# Altium PCB Adafruit CLUE nRF52840 Express.PcbDoc (continued)
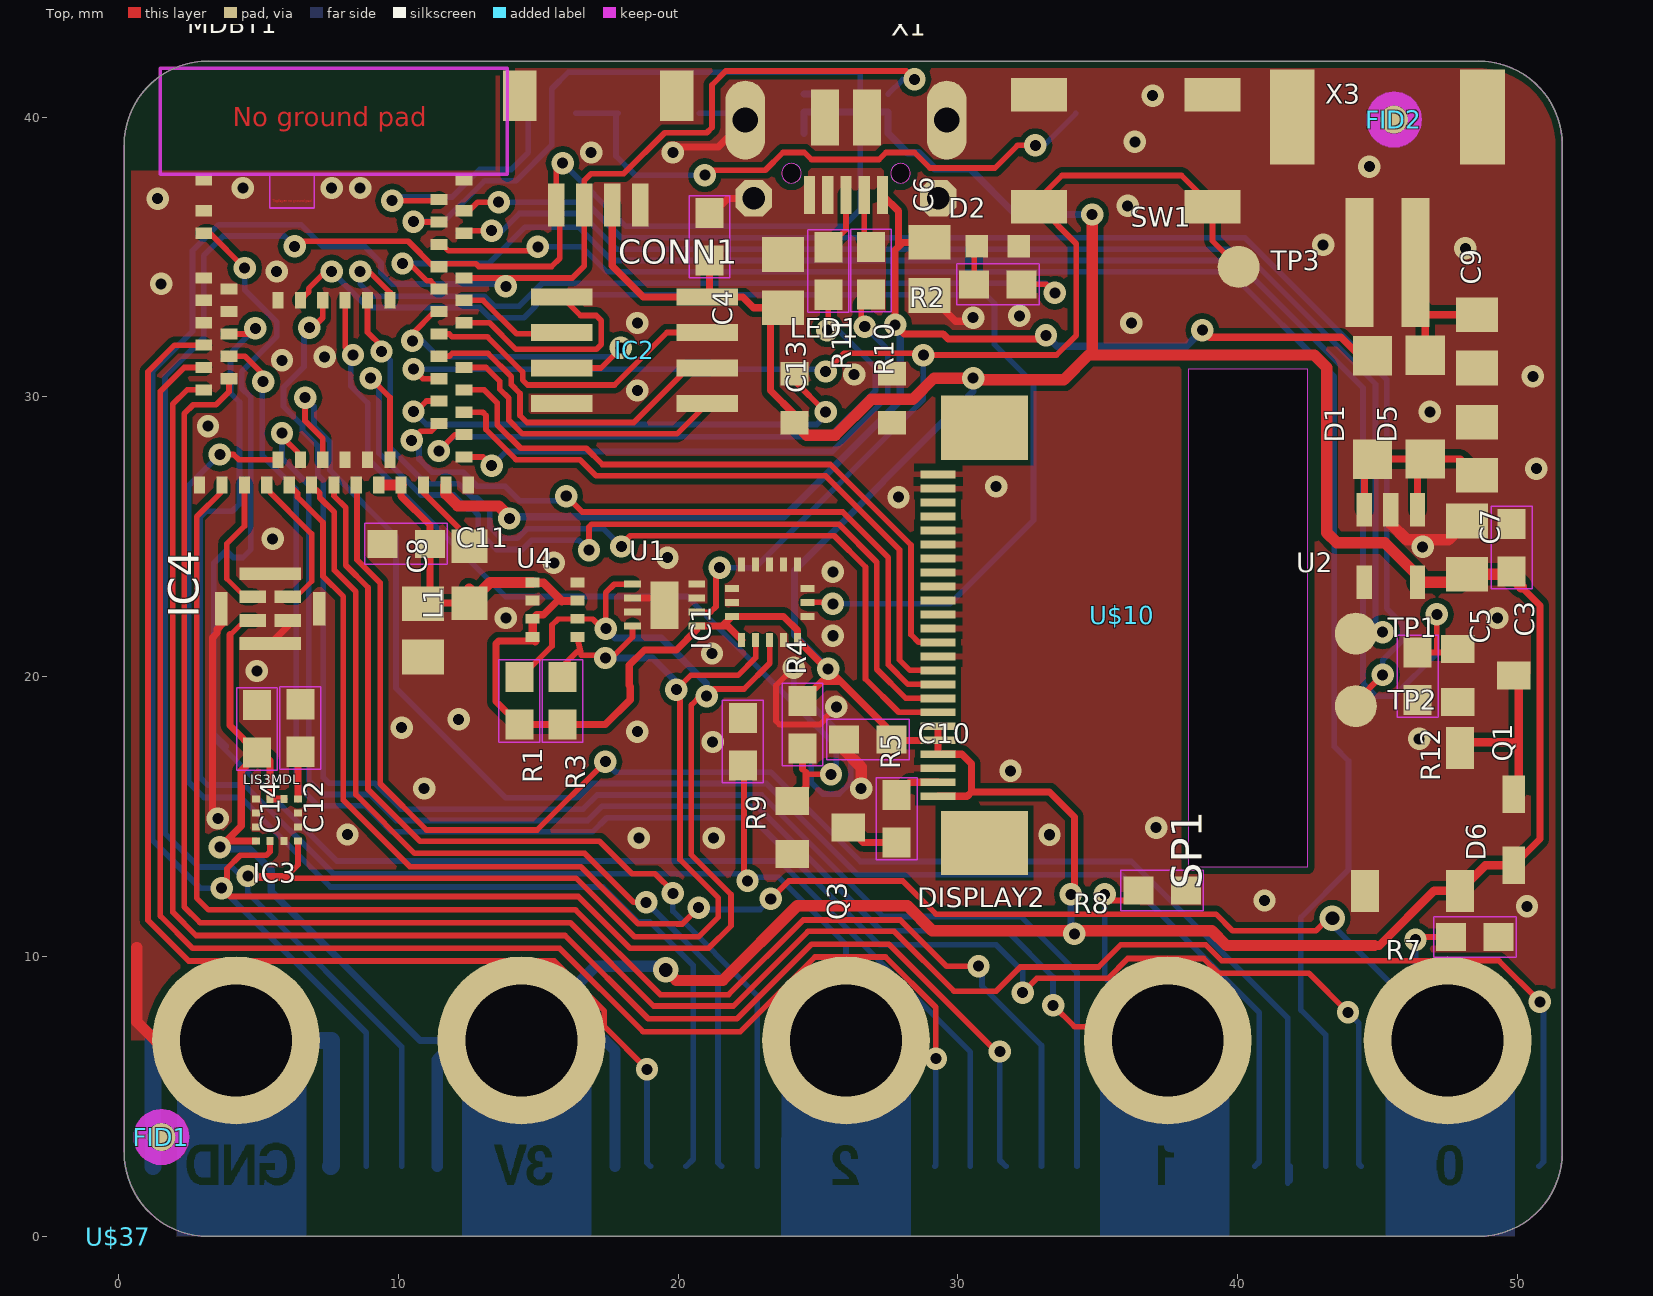
[diagram p0: Top view]
## Free pads (board coordinates) (continued)

## Via types
v1: diameter 0.8/0.8 (per signal layer), hole 0.394, Top to Bottom, 134 vias
v2: diameter 0.907/0.907 (per signal layer), hole 0.5, Top to Bottom, 2 vias

## Nets (pads, with @x,y where several pads share a name; then routed paths per layer and width w, separated by ;. In a path a pad name is that pad's centre, name@x,y a point inside that pad or via, vN(x,y) a via of type N, cw(c..) or ccw(c..) an arc to the next point about the centre after c; other vN are vias at no path point)
3.3V: C3.2 C4.2 C5.2 C8.2 C10.2 C11.2 C13.2 C14.2 CONN1.2 D6.C DISPLAY2.1 DISPLAY2.4 DISPLAY2.5 DISPLAY2.6 IC1.1 IC1.5 IC1.16 IC2.8 IC3.5 IC3.6 IC3.10 IC4.1 L1.1 LED1.2 MB1.+3V3 MB1.+3V3@1 MB1.+3V3@2 MDBT1.28 MDBT1.30 R1.2 R3.2 R4.2 SP1.+ U1.5 U2.5 U3.5 U3.8 U4.2 U4.5 U4.6 U4.8 | length 228
  Top w0.178: 3.98,21.504 4.003,21.504 4.508,22.009 IC4.1
  Top w0.254: 3.98,21.504 3.98,18.257 C14.2 ; IC3.10 3.843,14.125 v1(3.624,13.906) 4.386,14.668 4.386,16.637 4.953,17.204 C14.2 ; IC3.5 IC3.6 5.415,17 5.132,17.284 C14.2 ; MDBT1.30 10.1,26.451 11.131,25.42 C11.2 11.131,22.854 C8.2 10.908,22.631 12.534,22.631 L1.1@12.534,23.124 ; U4.6 14.945,22.213 15.187,22.213 15.688,22.714 15.831,22.714 ; U4.5@14.894,21.273 13.589,21.273 13.493,21.176 13.493,19.116 R1.2 R3.2 17.396,18.285 18.288,19.177 18.288,19.65 18.253,19.685 18.253,20.412 18.796,20.955 19.939,20.955 20.667,21.683 U1.5 21.573,21.806 ; CONN1.2 17.645,34.679 18.752,33.572 IC2.8 ; C4.2 21.123,33.648 IC2.8 ; IC1.1 21.773,21.806 21.573,21.806 ; C13.2 C13.2@23.495,33.185 ; LED1.2 24.152,29.378 23.304,30.226 23.304,32.995 C13.2@23.495,33.185 ; R4.2 25.147,19.837 25.806,19.837 ; DISPLAY2.1 30.331,15.726 30.48,15.875 ; DISPLAY2.6 DISPLAY2.5 ; v1(34.036,12.219) 34.163,12.346 34.163,14.986 33.274,15.875 30.48,15.875 ; v1(34.163,10.808) v1@34.163,10.922 ; U2.5 U2.5@46.424,23.617 ; C5.2@47.879,23.37 47.879,23.342 C5.2 ; C3.2@49.687,23.662 C3.2 ; D6.C 50.8,14.199 50.8,22.549 50.128,23.22 ; IC2.8 22.308,33.572 22.695,33.185 C13.2@23.495,33.185 ; 21.573,21.806 IC1.16 23.766,22.156 24.274,21.648 IC1.5 25.298,20.281 v1(25.361,20.281) 25.806,19.837 ; 25.806,19.837 27.632,18.011 C10.2 27.661,17.726 DISPLAY2.5 ; DISPLAY2.5 DISPLAY2.4 30.145,17.226 30.48,16.891 30.48,15.875
  Top w0.305: U4.5 U4.5@14.812,21.399 ; U4.6 U4.5@14.812,21.399 ; U4.8 15.197,23.348 15.831,22.714 15.847,22.698 U4.2 ; U4.5@14.894,21.273 U4.5@14.812,21.399 ; 44.873,10.392 45.063,10.392 47.019,12.348 SP1.+ 48.853,13.259 D6.C
  Top w0.406: MDBT1.28 MDBT1.30 ; L1.1@12.534,23.124 12.543,23.115 L1.1 13.282,23.368 U4.8 ; v2(19.558,9.525) 19.939,9.144 21.59,9.144 24.257,11.811 28.197,11.811 29.086,10.922 34.163,10.922 39.072,10.922 39.602,10.392 44.873,10.392 ; LED1.2 24.597,28.633 25.625,28.633 26.9,29.909 28.384,29.909 29.146,30.67 v1(30.543,30.67) 30.607,30.607 33.782,30.607 34.671,31.496 34.798,31.496 ; v1(34.798,36.519) 34.798,31.496 ; U2.5 C5.2@47.879,23.37 ; U2.5@46.424,23.617 45.25,24.79 43.536,24.79 43.18,25.146 43.18,31.051 42.735,31.496 34.798,31.496 ; C5.2 49.687,23.662 50.128,23.22
  Bottom w0.254: v1(3.624,13.906) 3.688,13.843 4.699,13.843 5.461,13.081 5.461,12.319 10.78,7 13.97,7 ; U3.5 24.505,40.176 27.505,40.176 U3.8 28.201,38.723 28.602,38.723 29.172,38.154 30.426,38.154 32.061,36.519 v1(34.798,36.519) ; v1(25.361,20.281) 24.155,21.488 24.155,23.798 30.543,30.187 v1(30.543,30.67) ; v1(34.036,12.219) 34.036,10.935 v1(34.163,10.808)
  Bottom w0.406: 11.395,2.5 11.395,6.315 12.08,7 13.97,7 14.4,7 ; MB1.+3V3 17.745,6.639 17.384,7 14.4,7 ; v2(19.558,9.525) 19.431,9.652 17.052,9.652 14.4,7
APDS_IRQ: MDBT1.52 U3.2 | length 21.1
  Top w0.203: v1(10.541,36.265) 10.556,36.25 MDBT1.52
  Bottom w0.203: v1(10.541,36.265) 11.627,36.265 13.081,37.719 14.207,37.719 15.486,38.998 15.486,41.013 16.078,41.605 26.505,41.605 U3.2
BACKLIGHT: MDBT1.59 Q3.1 R4.1 | length 31.2
  Top w0.203: MDBT1.59 8.1,31.778 v1(8.382,31.496) ; 24.447,16.7 24.575,16.573 24.638,16.51 v1(25.463,16.51)
  Top w0.254: Q3.1 24.575,16.047 24.575,16.573 ; 24.447,16.7 R4.1
  Bottom w0.203: v1(8.382,31.496) 8.306,31.42 8.306,30.379 8.903,29.782 8.903,27.813 9.017,27.699 9.017,27.686 13.836,22.867 20.313,22.867 25.654,17.526 25.654,16.7 v1(25.463,16.51)
CAP1: C12.2 IC3.4 | length 1.7
  Top w0.254: IC3.4 6.415,17.234 C12.2
D0/AIN2: MB1.P0 MDBT1.20 R7.2 | length 62.4
  Top w0.203: MDBT1.20 6.395,26.555 6.395,26.424 7.308,25.511 7.308,23.59 8.038,22.86 8.038,15.584 10.414,13.208 16.529,13.208 18.568,11.17 19.977,11.17 19.971,11.164 20.149,11.164 v1(20.733,11.747) ; v1(23.311,12.059) 23.952,12.7 28.026,12.7 29.213,11.513 39.224,11.513 39.814,10.922 42.799,10.922 43.243,11.367 v2(43.379,11.367) ; v1(46.355,10.604) 46.355,10.693 R7.2
  Bottom w0.203: v1(20.733,11.747) 20.803,11.678 22.93,11.678 v1(23.311,12.059) ; v2(43.379,11.367) 43.379,11.121 MB1.P0 46.355,8.145 v1(46.355,10.604)
D1/AIN3: MB1.P1 MDBT1.21 R8.2 | length 57.2
  Top w0.203: v1(5.842,28.702) 5.842,28.575 6.5,27.917 MDBT1.21 ; v1(33.401,8.255) 34.163,7.493 37.007,7.493 MB1.P1 ; v1(35.242,12.217) 35.458,12.002 36.094,12.002 R8.2
  Bottom w0.203: v1(5.842,28.702) 5.842,27.813 6.794,26.86 6.794,16.303 7.309,15.789 8.992,15.789 9.922,14.859 16.77,14.859 17.278,15.367 22.816,15.367 27.261,10.922 31.75,10.922 33.401,9.271 v1(33.401,8.255) ; v1(35.242,12.217) 35.242,9.258 MB1.P1
D2/AIN4: MB1.P2 MDBT1.9 R9.2 | length 52.1
  Top w0.203: MDBT1.9 4.691,32.25 v1(4.889,32.448) ; R9.2 22.352,16.79 22.352,12.833 v1(22.479,12.706)
  Bottom w0.203: v1(4.889,32.448) 4,31.559 4,30.142 4.324,29.818 4.324,26.173 4.064,25.913 3.116,25.913 2.921,25.717 2.921,16.392 3.184,16.129 4.505,16.129 7.674,12.96 22.225,12.96 v1(22.479,12.706) 22.479,12.827 23.602,12.827 26,10.429 MB1.P2
D3/AIN5: MB1.P3 MDBT1.13 | length 79.5
  Top w0.203: MDBT1.13 3.95,30.183 3.487,29.72 2.669,29.72 2.349,29.4 2.349,11.774 2.913,11.21 16.144,11.21 19.124,8.23 21.974,8.23 24.641,10.897 27.723,10.897 29.857,8.763 31.369,8.763 32.23,9.624 35.024,9.624 35.814,10.414 38.862,10.414 39.433,9.842 49.34,9.842 v1(50.8,8.382)
  Bottom w0.203: MB1.P3 50.927,2.662 50.927,8.255 v1(50.8,8.382)
D4/AIN6: MB1.P4 MDBT1.11 | length 65.2
  Top w0.203: MDBT1.11 4.518,31.45 5.171,30.797 v1(5.171,30.543) ; v1(32.312,8.709) 32.82,9.217 35.36,9.217 36.068,9.925 38.776,9.925 39.303,9.398 42.545,9.398 v1(43.942,8.001)
  Bottom w0.203: v1(5.171,30.543) 5.137,30.543 5.137,27.902 6.35,26.689 6.35,16.172 7.14,15.382 8.824,15.382 9.754,14.453 16.939,14.453 17.447,14.961 22.647,14.961 27.194,10.414 31.369,10.414 32.312,9.471 v1(32.312,8.709) ; v1(43.942,8.001) 44.323,7.62 44.323,2.592 MB1.P4
D5/BUTTON_A: BTNA.B BTNA.B' MB1.P5 MDBT1.50 | length 63.6
  Top w0.203: MDBT1.50 11.565,35.45 11.797,35.218 14.843,35.218 v1(14.986,35.361)
  Bottom w0.203: v1(14.986,35.361) 16.569,35.361 17.462,34.468 39.7,34.468 43.45,30.718 BTNA.B BTNA.B' 43.958,16.992 43.958,13.097 42.256,11.395 42.256,8.088 43.145,7.199 MB1.P5
D6: MB1.P6 MDBT1.26 | length 55.5
  Top w0.203: MDBT1.26 8.527,26.823 8.527,24.177 9.352,23.352 9.352,16.175 11.005,14.522 14.961,14.522 v1(17.399,16.961)
  Bottom w0.203: v1(17.399,16.961) 17.774,16.586 23.321,16.586 26.513,13.394 36.2,13.394 41.783,7.81 41.783,1.905 41.875,1.997 MB1.P6
D7: MB1.P7 MDBT1.23 | length 55.9
  Top w0.203: v1(6.667,29.972) v1(6.667,29.972) 6.666,29.145 7.3,28.512 MDBT1.23
  Bottom w0.203: v1(6.667,29.972) 6.985,29.654 6.985,28.956 7.556,28.384 7.556,27.375 9.919,25.013 9.919,19.585 13.832,15.672 16.434,15.672 16.942,16.18 23.152,16.18 26.408,12.924 35.844,12.924 40.767,8.001 40.767,2.662 MB1.P7
D8: MB1.P8 MDBT1.58 | length 55.5
  Top w0.203: v1(6.819,32.473) 6.946,32.473 7.3,32.827 MDBT1.58
  Bottom w0.203: v1(6.819,32.473) 6.629,32.283 6.629,31.076 5.899,30.347 5.899,29.661 6.579,28.981 6.579,28.788 7.118,28.248 7.118,27.211 7.322,27.007 7.322,16.386 7.513,16.195 9.161,16.195 10.09,15.265 16.602,15.265 17.11,15.773 22.984,15.773 27.327,11.43 32.258,11.43 34.255,9.433 MB1.P8
D9: MB1.P9 MDBT1.16 | length 54.4
  Top w0.203: MDBT1.16 3.7,26.624 2.792,25.716 2.792,12.091 3.216,11.667 16.333,11.667 19.364,8.636 21.806,8.636 24.473,11.303 27.94,11.303 29.591,9.652 v1(30.734,9.652)
  Bottom w0.203: v1(30.734,9.652) 30.861,9.525 30.861,8.942 32.985,6.818 MB1.P9
D10/AIN7: MB1.P10 MDBT1.14 | length 57.5
  Top w0.203: MDBT1.14 2.452,30.25 1.942,29.74 1.942,11.585 2.774,10.753 15.955,10.753 18.935,7.772 22.1,7.772 24.767,10.439 27.534,10.439 31.369,6.604 v1(31.496,6.604)
  Bottom w0.203: v1(31.496,6.604) 31.496,2.719 MB1.P10
D11/BUTTON_B: BTNB.B BTNB.B' MB1.P11 MDBT1.3 | length 57.6
  Top w0.203: MDBT1.3 3.266,35.85 v1(4.508,34.608)
  Bottom w0.203: v1(4.508,34.608) 4.508,33.826 5.658,32.677 5.658,32.157 4.407,30.906 4.407,30.311 4.731,29.987 4.731,24.543 4.445,24.257 4.1,24.257 BTNB.B 3.405,24.056 3.405,17.945 BTNB.B' 3.85,17.526 3.723,17.653 3.556,17.653 7.798,13.411 23.622,13.411 30.445,6.588 MB1.P11
D12/AIN0: MB1.P12 MDBT1.12 | length 57.6
  Top w0.203: MDBT1.12 2.348,31.05 1.497,30.199 1.497,11.447 2.648,10.295 15.765,10.295 18.745,7.315 22.226,7.315 24.893,9.982 27.413,9.982 29.21,8.185 v1(29.21,6.35)
  Bottom w0.203: MB1.P12 29.21,2.535 v1(29.21,6.35)
D13/SCK: MB1.P13 MDBT1.24 | length 34.9
  Top w0.203: MDBT1.24 7.7,26.463 8.121,26.042 8.121,23.984 8.915,23.189 8.915,15.977 10.776,14.116 17.189,14.116 18.351,12.954 19.177,12.954 19.812,12.319 v1(19.812,12.255)
  Bottom w0.203: v1(19.812,12.255) 19.812,11.62 22.825,8.608 MB1.P13
D14/MISO: MB1.P14 MDBT1.22 | length 34.2
  Top w0.203: MDBT1.22 7.195,26.555 7.195,26.393 7.714,25.874 7.714,23.802 8.484,23.033 8.484,15.785 10.584,13.684 16.662,13.684 18.409,11.938 v1(18.86,11.938)
  Bottom w0.203: v1(18.86,11.938) 21.428,9.37 21.428,2.627 MB1.P14
D15/MOSI: MB1.P15 MDBT1.19 | length 42.4
  Top w0.203: v1(3.619,27.94) 4.113,27.94 4.303,27.75 MDBT1.19
  Bottom w0.203: v1(3.619,27.94) 2.513,26.834 2.513,16.226 3.056,15.683 4.376,15.683 7.576,12.484 17.317,12.484 18.568,11.233 18.99,11.233 20.539,9.684 20.539,2.754 MB1.P15
D16/AIN1: MB1.P16 MDBT1.10 | length 45.9
  Top w0.203: MDBT1.10 2.005,31.85 1.053,30.898 1.053,11.295 2.509,9.838 15.576,9.838 17.364,8.05 17.364,7.493 v1(18.888,5.969)
  Bottom w0.203: v1(18.888,5.969) 18.888,2.627 MB1.P16
D19/SCL: CONN1.4 IC1.2 IC3.1 MB1.P19 MDBT1.49 R3.1 U1.4 U3.7 U4.4 | length 110.8
  Top w0.203: v1(6.297,35.38) 6.477,35.56 10.353,35.56 11.263,34.65 MDBT1.49 11.555,34.755 12.776,34.755 12.875,34.657 15.48,34.657 15.772,34.949 15.772,36.729 CONN1.4 15.645,38.124 v1(15.875,38.354) ; IC3.1 6.415,13.273 6.02,12.878 v1(4.623,12.878) 4.623,12.802 16.348,12.802 18.448,10.701 20.731,10.701 21.438,11.408 21.438,12.09 20.066,13.462 20.066,19.538 v1(19.939,19.538) 20.447,20.046 22.138,20.046 22.773,20.681 IC1.2 ; R3.1 15.871,20.376 16.385,20.89 16.512,20.89 ; U4.4 16.512,20.89 ; U1.4 18.367,21.415 17.621,20.669 v1(17.399,20.669) 17.145,20.669 17.051,20.763 16.539,20.763 16.512,20.89
  Bottom w0.203: v1(6.297,35.38) 5.927,35.75 3.746,35.75 3.048,35.052 3.048,32.112 1.662,30.726 1.662,14.4 2.867,13.195 4.051,13.195 4.496,12.751 v1(4.623,12.878) 4.623,12.271 10.125,6.769 MB1.P19 ; v1(15.875,38.354) 18.136,36.093 25.908,36.093 26.505,36.69 U3.7
  Bottom w0.254: v1(17.399,20.669) 19.082,20.669 19.939,19.812 v1(19.939,19.538)
D20/SDA: CONN1.3 IC1.3 IC3.11 MB1.P20 MDBT1.48 R1.1 U1.1 U3.1 U4.3 | length 119.9
  Top w0.203: IC3.11 5.415,13.744 5.288,13.617 4.353,13.617 3.876,13.14 3.876,12.632 v1(3.685,12.441) 3.985,12.141 16.434,12.141 18.28,10.295 21.09,10.295 21.888,11.093 21.888,12.214 20.472,13.63 20.472,18.986 20.79,19.304 v1(21.018,19.304) 21.273,19.558 22.352,19.558 23.274,20.48 IC1.3 ; MDBT1.48 v1@13.843,34.25 ; v1(13.843,33.952) v1@13.843,34.25 ; R1.1 14.387,19.985 15.494,21.093 15.494,21.844 15.698,22.048 U4.3 16.949,22.056 17.288,21.717 v1(17.415,21.717) 17.415,23.003 17.718,23.306 U1.1 ; v1(28.448,41.346) 28.15,41.644 21.705,41.644 21.209,41.148 21.209,39.624 21.025,39.44 19.52,39.44 18.053,37.973 16.891,37.973 16.645,37.727 CONN1.3 16.645,34.679 16.216,34.25 v1@13.843,34.25
  Bottom w0.203: MB1.P20 8.855,7.272 v1(3.685,12.441) 2.923,12.441 1.229,14.136 1.229,30.931 2.642,32.344 2.642,35.22 3.578,36.157 6.518,36.157 7.299,35.376 8.801,35.376 9.382,34.795 9.382,34.433 9.779,34.036 13.759,34.036 v1(13.843,33.952) ; U3.1 28.032,41.346 v1(28.448,41.346)
  Bottom w0.254: v1(17.415,21.717) 17.752,21.38 19.398,21.38 21.018,19.76 v1(21.018,19.304)
D+: R11.1 X1.D+ | length 2.1
  Top w0.203: R11.1 26,35.978 X1.D+
D-: R10.1 X1.D- | length 2
  Top w0.203: X1.D- 26.65,35.601 R10.1
DCCH: L1.2 MDBT1.31 | length 2.9
  Top w0.203: MDBT1.31 10.9,26.574 12.543,24.931 L1.2
GND: BTNA.A BTNA.A' BTNB.A BTNB.A' C3.1 C4.1 C5.1 C6.1 C7.1 C8.1 C9.1 C10.1 C11.1 C12.1 C13.1 C14.1 CONN1.1 CONN1.MT1 CONN1.MT2 D2.C D3.K D4.K DISPLAY2.3 DISPLAY2.11 DISPLAY2.13 DISPLAY2.14 DISPLAY2.15 DISPLAY2.16 DISPLAY2.17 DISPLAY2.18 DISPLAY2.19 DISPLAY2.20 DISPLAY2.23 DISPLAY2.24 IC1.4 IC1.8 IC1.9 IC1.10 IC1.11 IC1.12 IC1.13 IC1.15 IC2.4 IC3.2 IC3.3 IC3.9 IC3.12 IC4.2 IC4.5 IC4.6 IC4.7 IC4.8 LED1.4 MB1.GND MB1.GND@1 MB1.GND@2 MDBT1.1 MDBT1.2 MDBT1.15 MDBT1.33 MDBT1.55 Q1.2 Q3.2 R7.1 R8.1 R9.1 R12.2 SW1.A SW1.A' U1.2 U1.7 U1.8 U1.THERMAL U2.2 U3.6 U4.1 U4.7 X1.BASE@1 X1.BASE@2 X1.GND X1.SPRT@1 X1.SPRT@2 X1.SPRT@3 X1.SPRT@4 X3.1 | length 59.1
  Top w0.203: v1(24.13,20.32) 23.495,19.685 23.495,18.415 23.622,18.288 25.066,18.288 25.252,18.474 25.252,18.521 v1(25.654,18.923)
  Top w0.254: v1(3.55,14.933) 3.365,15.118 3.365,21.399 3.523,21.557 3.523,21.693 3.679,21.85 IC4.5 ; IC4.6 6.055,21.809 IC4.2 ; U1.2 19.267,22.806 U1.THERMAL ; v1(19.812,38.735) 20.002,38.925 21.434,38.925 22.4,39.892 ; C4.1 21.27,36.573 21.789,37.092 22.7,37.092 ; C6.1 29.909,32.705 29.909,32.703 30.416,32.703 v1(30.543,32.829)
  Top w0.406: 0.657,10.321 0.657,7.661 1.319,7 4.2,7 ; C8.1 C8.1@10.881,20.97 ; C10.1@25.932,17.755 25.932,17.375 26.543,16.764 v1(26.543,16.002) ; U2.2 45.474,25.456 46.038,24.892 47.529,24.892 C5.1
  Bottom w0.203: D3.K 22.16,40.132 22.4,39.892 ; v1(24.13,20.32) 24.13,19.625 26.168,17.586 26.168,16.218 25.755,15.805 25.172,15.805 24.759,16.218 24.759,17.278
  Bottom w0.61: 1.235,2.5 1.235,7.112 1.347,7 4.2,7 7.605,7 7.62,6.985 7.62,2.535 MB1.GND
  other v1: 50.336,11.789 40.957,12.002 18.6,14.234 21.267,14.234 8.186,14.361 33.274,14.351 37.084,14.605 10.922,16.002 31.877,16.637 21.234,17.666 46.482,17.78 18.542,18.034 10.122,18.181 12.158,18.472 4.947,20.203 21.209,20.828 25.527,21.463 13.843,22.098 49.276,22.098 25.527,23.749 15.557,24.066 19.621,24.257 46.609,24.638 5.506,24.928 27.877,26.416 31.369,26.797 50.673,27.432 3.198,28.956 46.863,29.464 18.542,30.226 50.546,30.734 26.289,30.797 5.842,31.305 7.366,31.432 18.542,32.639 36.195,32.639 32.194,32.893 1.524,34.036 5.651,34.48 48.133,35.306 43.053,35.433 36.068,36.83 1.397,37.084 4.445,37.465 7.62,37.465 8.636,37.465 44.704,38.227 16.891,38.735 36.322,39.116 36.957,40.767
LED1: MDBT1.61 R2.1 | length 29.1
  Top w0.203: v1(8.636,34.48) 8.954,34.48 9.7,33.734 MDBT1.61 ; R2.1@32.28,34.022 33.161,34.022 v1(33.465,33.718)
  Bottom w0.203: v1(8.636,34.48) 8.636,34.036 9.074,33.598 13.081,33.598 13.443,33.236 14.318,33.236 15.144,34.061 33.122,34.061 v1(33.465,33.718)
LEDK: DISPLAY2.2 R5.2 | length 1.7
  Top w0.254: R5.2 28.266,16.226 DISPLAY2.2
LSM_IRQ: IC1.7 MDBT1.57 | length 44.1
  Top w0.203: MDBT1.57 6.795,33.745 6.795,33.876 7.4,34.48 v1(7.62,34.48) ; IC1.7 25.477,22.656 v1(25.527,22.606)
  Bottom w0.203: v1(7.62,34.48) 8.23,33.871 8.23,33.868 8.906,33.191 12.913,33.191 13.275,32.829 14.487,32.829 15.312,33.655 30.988,33.655 31.305,33.337 31.305,31.877 32.703,30.48 32.703,25.59 29.718,22.606 v1(25.527,22.606)
N$1: Q3.3 R5.1 | length 2
  Top w0.254: Q3.3 26.615,14.073 R5.1
N$2: U3.3 U3.4 | length 1
  Bottom w0.254: U3.4 U3.3
N$3: D3.A D4.A R6.1 | length 21.3
  Top w0.203: v1(20.955,37.922) 21.133,38.1 23.114,38.1 23.749,38.735 24.511,38.735 24.765,38.481 27.178,38.481 27.432,38.735 28.448,38.735 29.004,38.179 31.321,38.179 32.131,38.989 v1(32.766,38.989)
  Bottom w0.203: R6.1 D3.A@17.78,40.132 ; D3.A D3.A@17.78,40.132 ; v1(20.955,37.922) 18.466,37.922 17.78,38.608 D3.A@17.78,40.132 ; v1(32.766,38.989) 33.073,38.989 D4.A
N$4: D6.A Q1.3 SP1.- | length 6.6
  Top w0.305: SP1.- 48.147,17.653 50.038,17.653 ; D6.A 50.038,15.977 50.038,17.653 ; Q1.3 50.038,19.872 50.038,17.653
N$5: D2.A R2.2 | length 1.4
  Top w0.203: R2.2 30.58,35.288 D2.A
NEOPIX: LED1.1 MDBT1.38 | length 18.1
  Top w0.203: v1(10.541,29.477) 10.632,29.477 11.006,29.85 MDBT1.38 ; LED1.1 24.152,30.579 v1(25.273,29.458)
  Bottom w0.203: v1(10.541,29.477) 11.005,29.013 24.956,29.013 25.273,29.331 v1(25.273,29.458)
PDM_CLK: IC4.3 MDBT1.18 | length 5.2
  Top w0.178: IC4.3 6.353,22.859 6.908,23.414
  Top w0.203: MDBT1.18 5.3,26.704 6.901,25.103 6.901,23.421 6.908,23.414
PDM_DAT: IC4.4 MDBT1.17 | length 4.8
  Top w0.178: 3.873,23.495 4.51,22.859 IC4.4
  Top w0.203: 3.873,23.495 3.873,24.755 4.5,25.381 MDBT1.17
QSPI_CS: IC2.1 MDBT1.44 | length 8
  Top w0.203: MDBT1.44 13.257,32.65 14.21,31.697 17.073,31.697 17.252,31.876 17.252,32.728 17.073,32.907 16.512,32.907 IC2.1
QSPI_DATA0: IC2.5 MDBT1.41 | length 10.8
  Top w0.203: MDBT1.41 13.133,31.05 13.629,30.554 13.629,30.269 13.945,29.954 13.945,29.169 14.437,28.677 19.962,28.677 IC2.5
QSPI_DATA1: IC2.2 MDBT1.46 | length 4
  Top w0.203: MDBT1.46 13.032,33.45 14.224,32.258 15.803,32.258 IC2.2
QSPI_DATA2: IC2.3 MDBT1.45 | length 11.8
  Top w0.203: v1(10.503,32.004) 10.503,32.258 11.295,33.05 MDBT1.45 ; IC2.3 17.239,31.032 v1(17.957,31.75)
  Bottom w0.203: v1(10.503,32.004) 10.845,32.004 11.416,31.432 17.639,31.432 v1(17.957,31.75)
QSPI_DATA3: IC2.7 MDBT1.43 | length 11.3
  Top w0.203: MDBT1.43 11.819,32.25 11.924,32.145 13.187,32.145 14.442,30.89 14.442,30.606 14.621,30.427 17.727,30.427 19.602,32.302 IC2.7
QSPI_SCK: IC2.6 MDBT1.42 | length 12.1
  Top w0.203: MDBT1.42 11.819,31.45 11.924,31.555 13.203,31.555 14.036,30.722 14.036,30.437 14.351,30.122 14.351,29.337 14.605,29.083 18.415,29.083 20.364,31.032 IC2.6
RESET: MDBT1.40 SW1.B SW1.B' TP3.P$1 U1.6 | length 53.9
  Top w0.203: v1(10.541,30.988) 10.879,30.65 MDBT1.40 ; U1.6 21.163,22.306 21.356,22.499 21.356,23.769 v1(21.483,23.896) ; v1(25.273,30.905) 25.925,31.558 28.7,31.558 v1(28.765,31.493) 33.525,31.493 34.227,32.194 34.227,35.473 SW1.B' 32.9,37.091 33.718,37.91 37.991,37.91 SW1.B 39.1,35.576 TP3.P$1
  Bottom w0.203: v1(10.541,30.988) 25.19,30.988 v1(25.273,30.905) ; v1(21.483,23.896) 22.753,23.896 28.765,29.908 v1(28.765,31.493)
SPKR: MDBT1.47 Q1.1 R12.1 | length 57.2
  Top w0.203: v1(10.15,34.766) 10.403,34.766 11.024,34.145 11.155,34.145 MDBT1.47 ; R12.1 47.117,20.865 ; v1(47.117,22.225) 47.117,20.865 ; Q1.1 47.744,20.865 47.117,20.865
  Bottom w0.203: v1(10.15,34.766) 13.233,34.766 14.533,36.066 16.439,36.066 17.631,34.874 39.929,34.874 44.477,30.326 44.477,19.774 44.947,19.304 45.593,19.304 47.117,20.828 v1(47.117,22.225)
SWCLK: MDBT1.53 TP2.P$1 | length 48.3
  Top w0.203: MDBT1.53 12.52,36.65 12.827,36.957 v1(13.589,36.957) ; TP2.P$1 44.221,19.106 v1(45.182,20.066)
  Bottom w0.203: v1(13.589,36.957) 16.697,36.957 17.967,35.687 40.265,35.687 45.328,30.625 45.328,22.441 45.887,21.882 45.887,21.298 45.182,20.593 v1(45.182,20.066)
SWDIO: MDBT1.51 TP1.P$1 | length 45.5
  Top w0.203: MDBT1.51 12.441,35.941 v1(13.335,35.941) ; TP1.P$1 45.131,21.539 v1(45.182,21.59)
  Bottom w0.203: v1(13.335,35.941) 13.525,35.75 14.326,36.551 16.529,36.551 17.799,35.281 40.097,35.281 44.921,30.456 44.921,21.85 v1(45.182,21.59)
TFT_CS: DISPLAY2.8 MDBT1.29 | length 33.7
  Top w0.203: v1(9.011,30.67) 9.7,29.981 MDBT1.29 ; v1(16.815,24.524) 16.815,25.349 16.91,25.445 25.746,25.445 27.102,24.089 27.102,20.263 28.139,19.226 DISPLAY2.8
  Bottom w0.203: v1(9.011,30.67) 9.309,30.372 9.309,27.995 10.812,26.492 11.982,26.492 12.484,25.991 12.646,25.991 12.859,25.778 12.859,25.194 13.51,24.543 14.43,24.543 14.767,24.879 16.447,24.879 16.802,24.524 v1(16.815,24.524)
TFT_DC: DISPLAY2.10 MDBT1.37 | length 23.4
  Top w0.203: MDBT1.37 13.019,29.45 13.132,29.337 13.132,28.832 14.208,27.756 16.484,27.756 17.062,27.178 25.273,27.178 27.915,24.536 27.915,20.599 28.288,20.226 DISPLAY2.10
TFT_MOSI: DISPLAY2.12 MDBT1.39 | length 23
  Top w0.203: MDBT1.39 13.074,30.25 13.538,29.786 13.538,29 14.376,28.162 16.716,28.162 17.294,27.584 25.441,27.584 28.321,24.705 28.321,21.503 28.598,21.226 DISPLAY2.12
TFT_RESET: DISPLAY2.7 MDBT1.60 | length 32.4
  Top w0.203: MDBT1.60 8.9,32.312 9.398,31.813 v1(9.398,31.623) ; v1(17.97,24.651) 17.97,24.721 18.288,25.038 25.578,25.038 26.695,23.92 26.695,19.914 27.883,18.726 DISPLAY2.7
  Bottom w0.203: v1(9.398,31.623) 9.716,31.305 9.716,28.163 10.98,26.899 12.151,26.899 12.652,26.397 12.814,26.397 13.265,25.946 13.265,25.362 13.678,24.949 14.262,24.949 14.598,25.286 17.335,25.286 v1(17.97,24.651)
TFT_SCK: DISPLAY2.9 MDBT1.36 | length 26.3
  Top w0.203: v1(10.477,28.448) 10.801,28.772 11.172,28.772 MDBT1.36 ; v1(16.002,26.454) 16.573,25.883 25.883,25.883 27.508,24.257 27.508,20.431 28.213,19.726 DISPLAY2.9
  Bottom w0.203: v1(10.477,28.448) 10.668,28.258 10.742,28.258 10.742,27.775 11.212,27.305 12.319,27.305 12.821,26.803 13.817,26.803 14.332,26.289 15.837,26.289 v1(16.002,26.454)
USBD+: MDBT1.35 R11.2 | length 22
  Top w0.203: v1(11.447,28.067) 12.03,28.65 MDBT1.35 ; v1(25.336,32.385) 25.371,32.419 R11.2@25.371,33.648
  Bottom w0.203: v1(11.447,28.067) 11.955,28.575 25.4,28.575 27.051,30.226 27.051,31.051 25.717,32.385 v1(25.336,32.385)
USBD-: MDBT1.34 R10.2 | length 20.7
  Top w0.203: MDBT1.34@12.35,27.85 13.025,27.85 v1(13.335,27.54) ; v1(26.67,32.512) 26.543,32.385 26.543,33.312 R10.2
  Bottom w0.203: v1(13.335,27.54) 13.843,28.048 25.508,28.048 27.495,30.035 27.495,31.686 v1(26.67,32.512)
VBAT: C9.2 D5.A X3.2 | length 5.4
  Top w0.254: X3.2 46.35,33.37 X3.2@46.7,33.02 ; D5.A X3.2@46.7,33.02 ; C9.2 46.786,32.934 X3.2@46.7,33.02
VBUS: C6.2 D1.A MDBT1.32 X1.VBUS | length 45.7
  Top w0.254: X1.VBUS 27.883,36.634 27.883,35.376 ; C6.2 28.029,35.522 27.883,35.376 ; v1(33.147,32.198) 33.016,32.067 29.654,32.067 29.469,32.253 28.073,32.253 v1(27.756,32.571) 27.756,35.249 27.883,35.376 ; v1(38.735,32.385) 38.989,32.131 43.687,32.131 44.346,31.473 D1.A
  Top w0.406: MDBT1.32 11.7,26.527 12.128,26.098 13.589,26.098 13.97,25.717 v1(13.97,25.654)
  Bottom w0.254: v1(13.97,25.654) 14.034,25.717 23.788,25.717 27.94,29.869 27.94,32.387 v1(27.756,32.571) ; v1(33.147,32.198) 33.536,31.809 38.159,31.809 v1(38.735,32.385)
VHI: C7.2 D1.C D5.C U2.1 U2.3 | length 7.8
  Top w0.254: U2.3 44.524,27.474 D1.C 46.687,27.773 D5.C ; U2.1 46.424,27.509 D5.C ; C7.2 47.966,27.785 D5.C
WHITE_LED: MDBT1.54 R6.2 | length 8.7
  Top w0.203: v1(9.779,37.014) 11.414,37.014 MDBT1.54
  Bottom w0.203: v1(9.779,37.014) 9.779,37.141 11.928,37.141 12.913,38.125 14.039,38.125 14.644,38.73 R6.2
pads on no net: DISPLAY2.21 DISPLAY2.22 DISPLAY2.MNT1 DISPLAY2.MNT2 FID1.1 FID2.1 FID3.1 FID4.1 IC1.6 IC1.14 IC3.7 IC3.8 LED1.3 MDBT1.4 MDBT1.5 MDBT1.6 MDBT1.7 MDBT1.8 MDBT1.25 MDBT1.27 MDBT1.56 SP1.MT U1.3 U2.4 X1.ID X3.NC1 X3.NC2

## Polygon pours and split planes (outlines as drawn)
GND on Bottom "Polygon_1_Net_GND" (solid, remove dead copper, pour order 1): -0.102,7.01 52.045,7.01 52.045,42.266 13.487,42.266 13.487,38.075 -0.102,38.075
GND on Top "Polygon_2_Net_GND" (solid, remove dead copper, pour order 0): -0.102,7.01 52.045,7.01 52.045,42.266 13.487,42.266 13.487,38.075 -0.102,38.075

## Keep-outs
Keep-Out Layer:
  the board outline again, w0

## Silkscreen, mask and mechanical layers (free items; w line width, h text height)
Dimension:
  lines w0: 0.2,3 ccw(c3.2,3) 3.2,0 48.6,0 ccw(c48.6,3) 51.6,3 51.6,39 ccw(c48.6,39) 48.6,42 3.2,42 ccw(c3.2,39) 0.2,39 0.2,3 ; 38.237,13.2 42.5,13.2 42.5,30.989 38.237,30.989 38.237,13.2

## Dimensions
4.204,8.966 to 4.229,4.966 on tFinish
3.2,42 to 3.2,0 on tFinish
0.2,39 to 51.6,39 on tFinish
51.75,36.25 to 48.75,36.1 on tFinish
0,26.5 to 14.2,24 on tFinish

## Text inside footprints (layer, text, board x,y; h text height)
CONN1: Top Value "JST SH 4" at 20.475,43.376 h0.86 r180
DISPLAY2: bPlace "1.3\" TFT (240x240)" at 22.772,24.366 h1.08 r90
MDBT1: Top "No ground pad" at 4.09,39.68 h0.68; Top "Toplayer no ground pad" at 5.51,36.95 h0.09
U3: tDocu "IR" at 24.57,40.119 h0.22 r270; tDocu "RX" at 27.27,40.119 h0.22 r270
U$10: tPlace ">REV" at 35.372,21.491 h1.21